# Altium PCB Graviton-EC2-Simplified.PcbDoc (part 3 of 9)
Units mm, origin at the board's own origin, x right, y up, seen from the top; angles counter-clockwise.
Board outline 200 x 200 mm, 10 copper layers (Top Layer, Internal Plane 1, Signal Layer 1, Internal Plane 2, Signal Layer 2, Signal Layer 3, Internal Plane 3, Signal Layer 4, Internal Plane 4, Bottom Layer), stack 1.674 mm thick; 774 components, 1540 nets, 6310 pads, 1698 vias.
Unrouted connection lines stored in the file: 74.
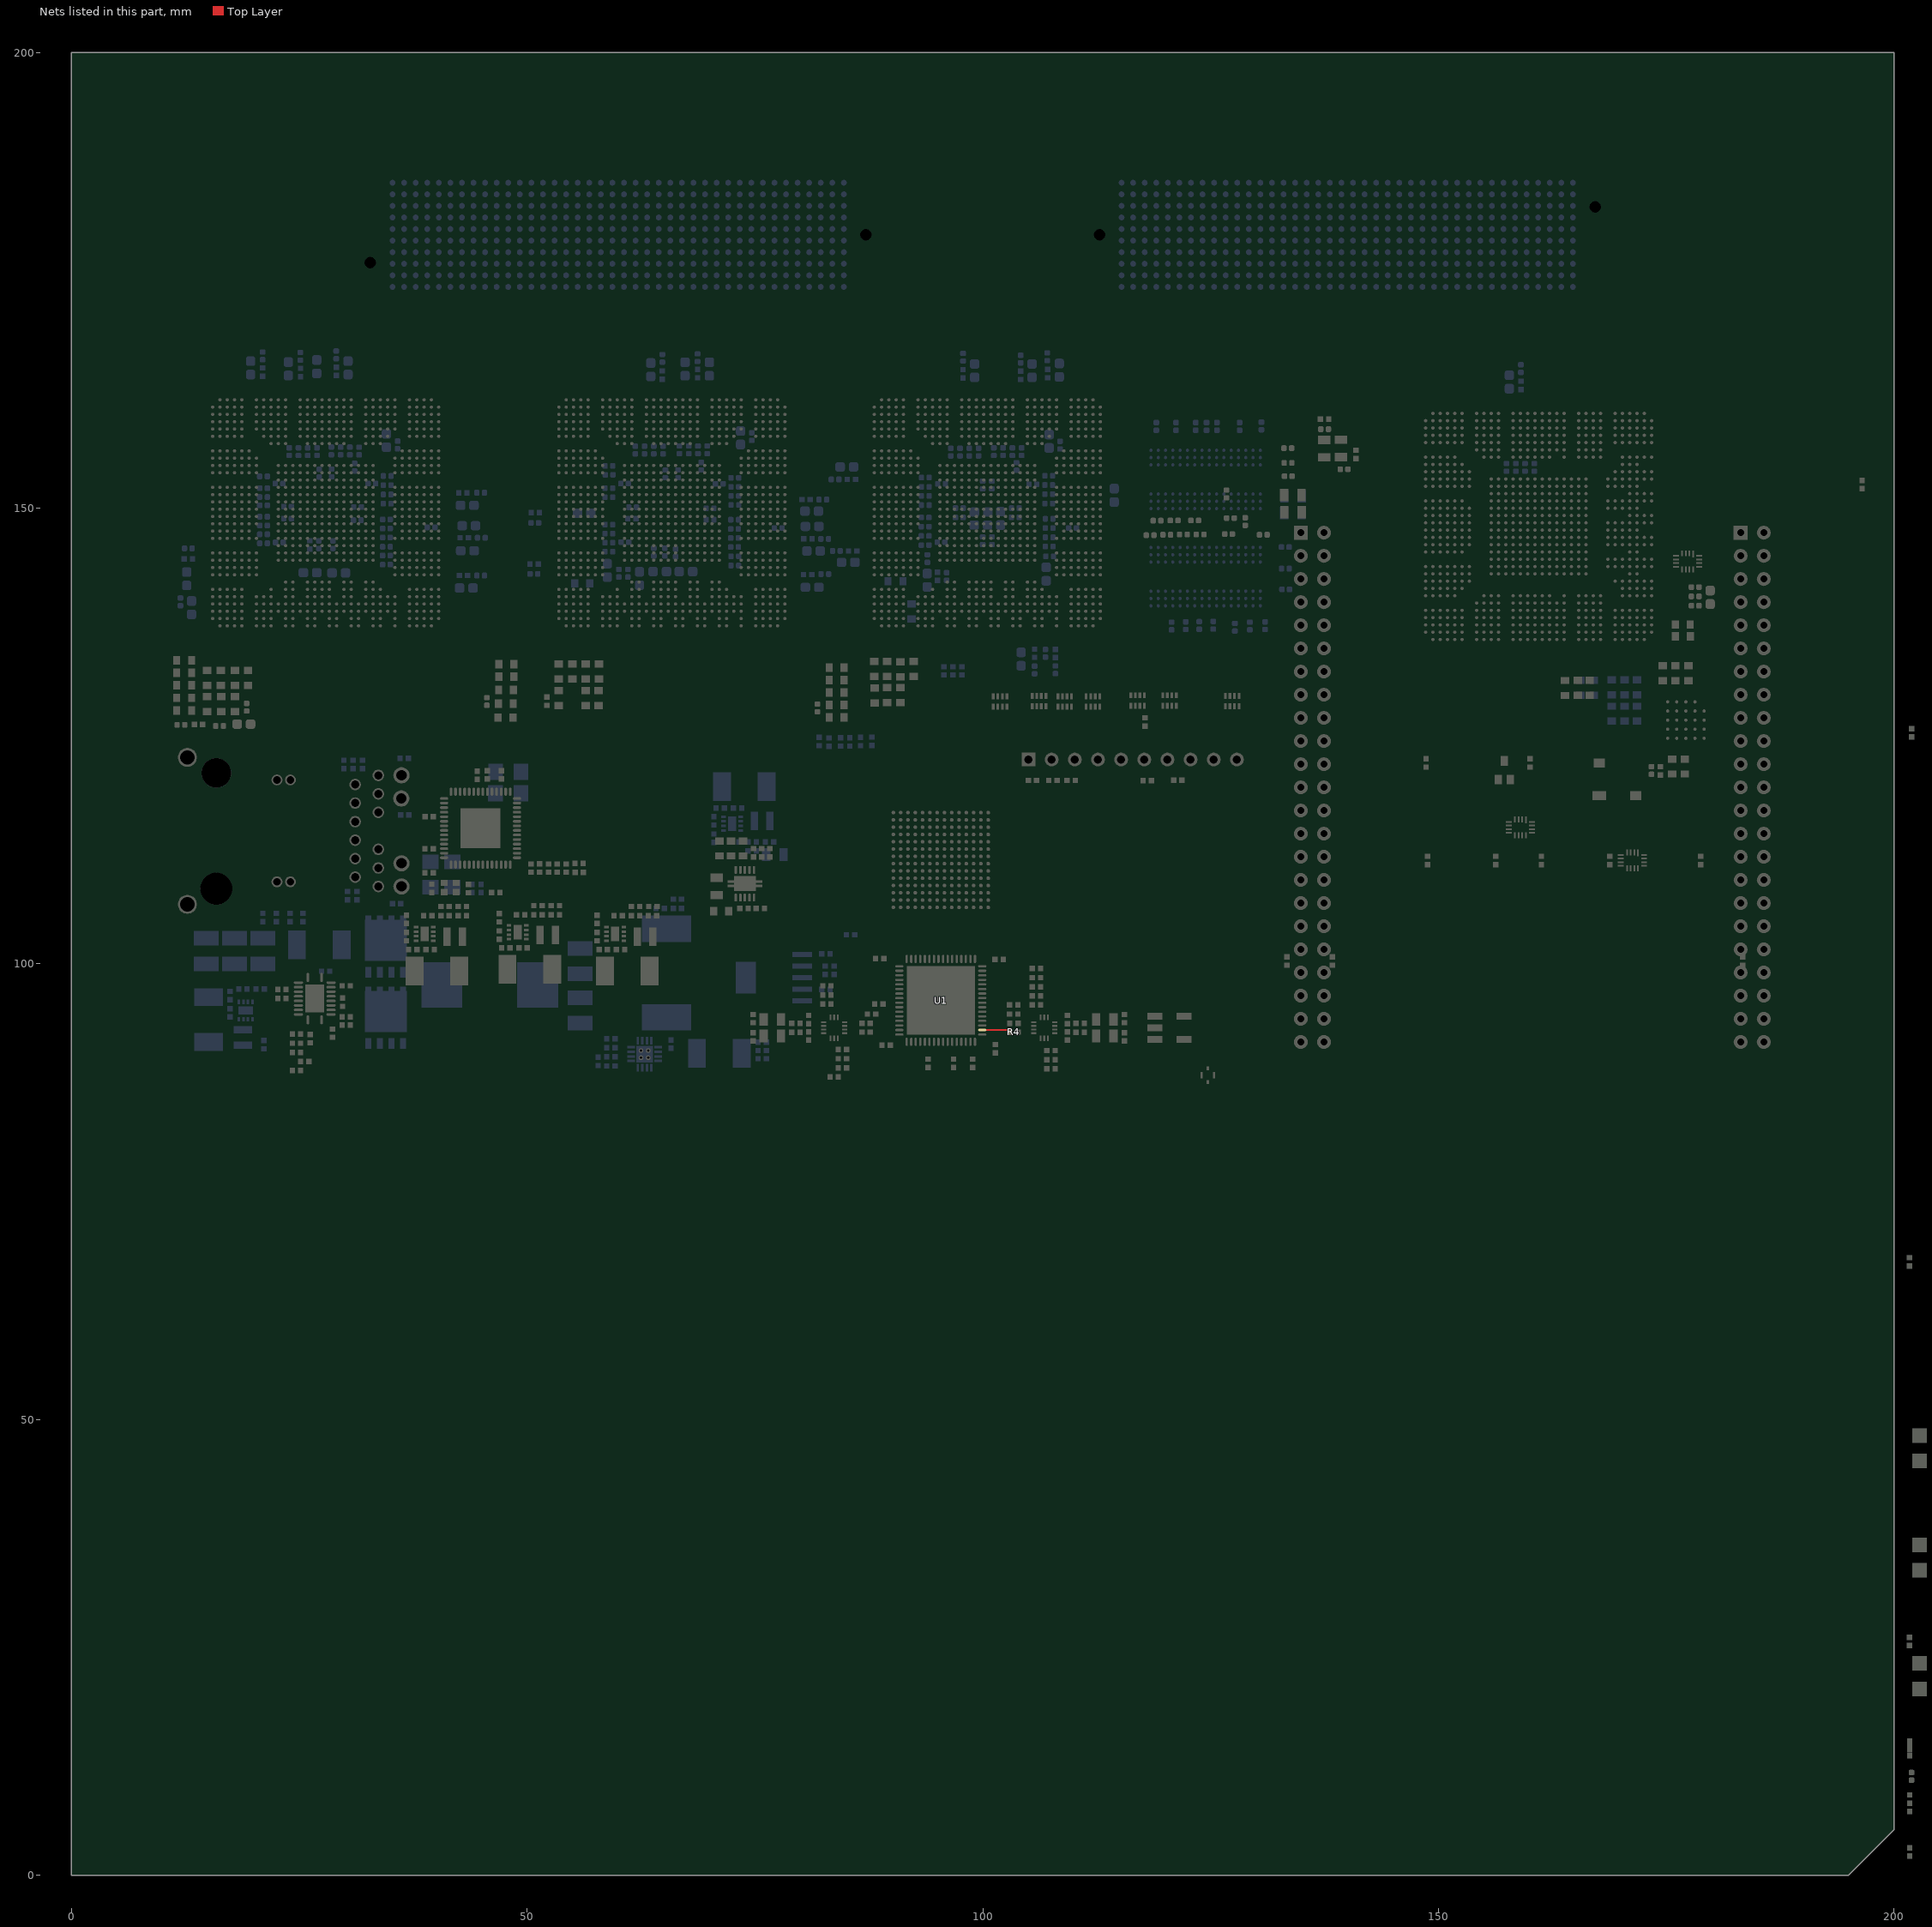
[diagram p11: the nets of this part, all layers, seen from the top]

## Components (designator, comment, footprint, x,y, rotation, side; value= is the part's Value field where it differs from the comment) (continued)
R184B "RES 0402" 0402 222.009,67.314 r90 top (schematic designator R184)
R185A "RES 0402" 0402 211.333,25.662 r90 top (schematic designator R185)
R185B "RES 0402" 0402 211.858,67.314 r90 top (schematic designator R185)
R186A "RES 0402" 0402 201.683,25.662 r90 top (schematic designator R186)
R186B "RES 0402" 0402 201.683,67.314 r90 top (schematic designator R186)
R188 "RES 0402" 0402 -9.119,55.718 r180 top
R189 "RES 0402" 0402 -13.419,55.718 r180 top
R190 "RES 0402" 0402 -17.719,55.718 r180 top
R191 "RES 0402" 0402 -22.019,55.718 r180 top
R192 "RES 0402" 0402 -26.319,55.718 r180 top
R193 "RES 0402" 0402 -30.719,55.718 r180 top
R194 "RES 0402" 0402 -35.019,55.718 r180 top
R195A "RES 0402" 0402 201.719,7.457 r90 top (schematic designator R195)
R195B "RES 0402" 0402 201.719,13.557 r90 top (schematic designator R195)
R196A "RES 0402" 0402 46.964,105.066 r270 top (schematic designator R196)
R196B "RES 0402" 0402 57.664,104.891 r270 top (schematic designator R196)
R196C "RES 0402" 0402 36.764,104.891 r270 top (schematic designator R196)
R196D "RES 0402" 0402 20.716,97.236 r180 bottom (schematic designator R196)
R196E "RES 0402" 0402 70.5,113.8 r90 bottom (schematic designator R196)
R197 "RES 0402" 0402 201.719,2.557 r90 top
R198 "RESPAK x4 0804" 0804-PAK-8 112.1,128.8 r90 top
R199 "RESPAK x4 0804" 0804-PAK-8 109,128.8 r90 top
R200 "RESPAK x4 0804" 0804-PAK-8 120.5,128.9 r90 top
T2A "TC1-1TG2+" AT224-1A 120.5,93 r90 top (schematic designator T2)
TP10A "MS-180(20)" MS-180(20) 124.7,87.8 r90 top (schematic designator TP10)
U1 "ADS42LB69IRG" S-PVQFN-N64 95.4,96 r0 top
U2 "LMH6554LE" NHJ0014A 106.75,93 r180 top
U3 "LMH6554LE" NHJ0014A 83.7,93 r0 top
U4 "TPS73618DCQ" DCQ-SOT223-5 77.1,98.5 r270 bottom
U6 "DAC3484IZAY" ZAY-BGA-196 95.4,111.4 r270 top
U7 "SN74AVC4T774RSVR" RSV 159,114.98 r180 top
U8 "SN74AVC4T774RSVR" RSV 171.3,111.355 r180 top
U9 "MT41K256M16HA -125:E" BGA96_T9_P8_9X14#1 124.46,142.494 r270 bottom locked
U10 "MT41K256M16HA -125:E" BGA96_T9_P8_9X14#2 124.46,153.162 r270 bottom locked
U13 "ADCLK944" WFQFN-16 209.1,125 r0 top
U14 "LFE5U_-85F-_BG756_" caBGA756 161,148 r90 top
U15 "SN74AVC4T774RSVR" RSV 177.343,144.17 r180 top
U16 "N25Q00AA13G1240" L-PBGA-24 177.158,126.755 r270 top
U18 "88E1512" QFN-56 44.9,114.9 r270 top
U19A "LFE5U_-85F-_BG756_" caBGA756 100.5,149.5 r0 top locked (schematic designator U19)
U19B "LFE5U_-85F-_BG756_" caBGA756 27.9,149.5 r0 top (schematic designator U19)
U19C "LFE5U_-85F-_BG756_" caBGA756 65.9,149.5 r0 top (schematic designator U19)
U22 "SN74AVC4T774RSVR" RSV 235.92,10.858 r0 top
U23 "TPS40170" RGY-VQFN-20 26.7,96.2 r270 top
U24 "TPS54618" RTE-WQFN-16 62.9,90.1 r90 bottom
U25 "TPS51200" DRC 73.9,108.8 r180 top
U31A "Dot marks A1 on 1.5, 1.8, 2.4, and 4.8V versions, dot marks B1 otherwise" DSBGA-4 -60.795,-44.9 r180 top (schematic designator U31)
U31B "Dot marks A1 on 1.5, 1.8, 2.4, and 4.8V versions, dot marks B1 otherwise" DSBGA-4 -84.575,-57.05 r180 top (schematic designator U31)
U31C "Dot marks A1 on 1.5, 1.8, 2.4, and 4.8V versions, dot marks B1 otherwise" DSBGA-4 263.475,102.55 r0 top (schematic designator U31)
U31D "Dot marks A1 on 1.5, 1.8, 2.4, and 4.8V versions, dot marks B1 otherwise" DSBGA-4 284.525,102.55 r0 top (schematic designator U31)
U39A "TPS62065" DSG 48.964,103.466 r180 top (schematic designator U39)
U39B "TPS62065" DSG 59.664,103.291 r180 top (schematic designator U39)
U39C "TPS62065" DSG 38.764,103.291 r180 top (schematic designator U39)
U39D "TPS62065" DSG 19.116,94.884 r270 bottom (schematic designator U39)
U39E "TPS62065" DSG 72.5,115.4 r180 bottom (schematic designator U39)
Y3 "XRCGB25M000F3N00R0" XRCGB 41.569,108.39 r0 top

## Footprints (in the part's own frame and the unit in brackets; to place one, negate y for a bottom-side part, rotate by r counter-clockwise, add the part's x,y. Pads: shape width x height; smd on the part's side, far side on the other; paste and mask are expansions set on the pad)
0402 [mm] "SMD; Body 1 x 0.5 mm (LxW typ)"
  rect 0.59x0.6 smd: 1(-0.455,0) 2(0.455,0)
  body extent -0.5,-0.25 0.5,0.25, height 0.6
451_453 [mm] "Littelfuse SMD Fuse, 451 and 453 Series, 6.1x2.7mm"
  rect 1.96x3.15 smd: 1(-2.455,0) 2(2.455,0)
  silkscreen extent -1.14,-1.78 1.14,1.78, body extent -3.05,-1.35 3.05,1.35, height 2.7
0603 [mm] "SMD; Body 1.6 x 0.9 mm (LxW typ)"
  rect 0.79x0.93 smd: 1(-0.82,0) 2(0.82,0)
  body extent -0.8,-0.4 0.8,0.4, height 0.9
0804-PAK-8 [mm] "8-pin Resistor Array Package"
  rect 0.65x0.3 smd mask+0.076: 1(-0.575,0.75) 2(-0.575,0.25) 3(-0.575,-0.25) 4(-0.575,-0.75) 5(0.575,-0.75) 6(0.575,-0.25) 7(0.575,0.25) 8(0.575,0.75)
  silkscreen extent -0.6,-1.1 0.6,1.1, body extent -0.5,-1 0.5,1, height 1.4
0805 [mm] "SMD; Body 2 x 1.2 mm (LxW typ)"
  rect 0.92x1.38 smd: 1(-0.955,0) 2(0.955,0)
  body extent -1,-0.63 1,0.63, height 1.2
0826 [mil] "Bel-Fuse Gigabit MagJack with PoE footprint"
  round 50 hole 35: 1(-200,-600) 2(-120,-600) 3(-40,-600) 4(40,-600) 5(120,-600) 6(200,-600) 7(-240,-700) 8(-160,-700) 9(-80,-700) 10(80,-700) 11(160,-700) 12(240,-700)
  round 47 hole 32: 13(-220,-320) 14(220,-320) 15(-220,-262) 16(220,-262)
  round 70 hole 45: 17(-240,-800) 18(-140,-800) 19(140,-799.21) 20(240,-800)
  round 82 hole 62: 21(-317.5,125) 22(317.5,125)
  round 137.8 hole 137.8 unplated: M1(-250,0)
  round 128 hole 128 unplated: M2(250,0)
  body extent -321,-860 321,430, height 536
1206 [mm] "SMD; Body 3.1 x 1.6 mm (LxW typ)"
  rect 1.6x1.8 smd: 1(-1.4,0) 2(1.4,0)
  body extent -1.63,-0.79 1.57,0.81, height 1
1210 [mm] "SMD; Body 3.2 x 2.5 mm (LxW typ)"
  rect 1.6x2.7 smd: 1(-1.4,0) 2(1.4,0)
  body extent -1.6,-1.27 1.6,1.23, height 1.5
ASPI-0310FS [mm] "Ultra low profile shielded SMD chip power inductor"
  rect 0.8x2 smd: 1(-0.85,0) 2(0.85,0)
  silkscreen extent -1.7,-1.7 1.7,1.7, body extent -1.5,-1.5 1.5,1.5, height 1
AT224-1A [mm] "Surface Mount RF Transformer"
  rect 0.76x1.65 smd: 1(-1.27,1.59) 2(0,1.59) 3(1.27,1.59) 4(1.27,-1.59) 6(-1.27,-1.59)
  silkscreen extent -2.16,-2.29 2.16,3.05, body extent -1.9,-1.9 1.9,1.9, height 4.06
BGA96_T9_P8_9X14#1 [mil] "BGA96_T9_P8_9X14"
  round 14 smd mask+2: A1(-126,236.25) A2(-94.5,236.25) A3(-63,236.25) A7(63,236.25) A8(94.5,236.25) A9(126,236.25) B1(-126,204.75) B2(-94.5,204.75) B3(-63,204.75) B7(63,204.75) B8(94.5,204.75) B9(126,204.75) C1(-126,173.25) C2(-94.5,173.25) C3(-63,173.25) C7(63,173.25) C8(94.5,173.25) C9(126,173.25) D1(-126,141.75) D2(-94.5,141.75) D3(-63,141.75) D7(63,141.75) D8(94.5,141.75) D9(126,141.75) E1(-126,110.25) E2(-94.5,110.25) E3(-63,110.25) E7(63,110.25) E8(94.5,110.25) E9(126,110.25) F1(-126,78.75) F2(-94.5,78.75) F3(-63,78.75) F7(63,78.75) F8(94.5,78.75) F9(126,78.75) G1(-126,47.25) G2(-94.5,47.25) G3(-63,47.25) G7(63,47.25) G8(94.5,47.25) G9(126,47.25) H1(-126,15.75) H2(-94.5,15.75) H3(-63,15.75) H7(63,15.75) H8(94.5,15.75) H9(126,15.75) J1(-126,-15.75) J2(-94.5,-15.75) J3(-63,-15.75) J7(63,-15.75) J8(94.5,-15.75) J9(126,-15.75) K1(-126,-47.25) K2(-94.5,-47.25) K3(-63,-47.25) K7(63,-47.25) K8(94.5,-47.25) K9(126,-47.25) L1(-126,-78.75) L2(-94.5,-78.75) L3(-63,-78.75) L7(63,-78.75) L8(94.5,-78.75) L9(126,-78.75) M1(-126,-110.25) M2(-94.5,-110.25) M3(-63,-110.25) M7(63,-110.25) M8(94.5,-110.25) M9(126,-110.25) N1(-126,-141.75) N2(-94.5,-141.75) N3(-63,-141.75) N7(63,-141.75) N8(94.5,-141.75) N9(126,-141.75) P1(-126,-173.25) P2(-94.5,-173.25) P3(-63,-173.25) P7(63,-173.25) P8(94.5,-173.25) P9(126,-173.25) R1(-126,-204.75) R2(-94.5,-204.75) R3(-63,-204.75) R7(63,-204.75) R8(94.5,-204.75) R9(126,-204.75) T1(-126,-236.25) T2(-94.5,-236.25) T3(-63,-236.25) T7(63,-236.25) T8(94.5,-236.25) T9(126,-236.25)
  Top Layer lines w4.75: 78.75,220.5 63,204.75 ; 110.25,189 94.5,173.25 ; 78.75,189 63,173.25 ; -110.25,189 -94.5,173.25 ; 78.75,126 63,110.25 ; 110.25,94.5 94.5,78.75 ; 78.75,94.5 63,78.75 ; 110.25,31.5 94.5,15.75 ; 78.75,31.5 63,15.75 ; -141.75,31.5 -126,15.75 ; -63,-15.75 -78.75,-31.5 ; -126,-47.25 -141.75,-63 ; 94.5,-78.75 110.25,-94.5 ; -63,-78.75 -78.75,-94.5 ; 94.5,-110.25 110.25,-126 ; -94.5,-110.25 -110.25,-126 ; 94.5,-173.25 110.25,-189 ; -94.5,-173.25 -110.25,-189 ; 94.5,-204.75 105,-215.25 110.25,-220.5 ; 63,-204.75 78.75,-220.5 ; -63,-204.75 -78.75,-220.5 ; -94.5,-204.75 -110.25,-220.5 ; 94.5,-236.25 110.25,-252 ; -94.5,-236.25 -110.25,-252
  Top Layer lines w10: -141.75,252 -126,236.25 ; -78.75,220.5 -63,204.75 ; -110.25,220.5 -94.5,204.75 ; -141.75,220.5 -126,204.75 ; -141.75,189 -126,173.25 ; 141.75,157.5 126,141.75 ; 110.25,157.5 94.5,141.75 ; -94.5,141.75 -78.75,126 ; 141.75,126 126,110.25 ; 110.25,126 94.5,110.25 ; -110.25,126 -94.5,110.25 ; -126,110.25 -110.25,94.5 ; -141.75,94.5 -126,78.75 ; 141.75,63 126,47.25 ; 110.25,63 94.5,47.25 ; 78.75,63 63,47.25 ; 141.75,31.5 126,15.75 ; -110.25,31.5 -94.5,15.75 ; -94.5,-15.75 -110.25,-31.5 ; -94.5,-47.25 -110.25,-63 ; 126,-110.25 141.75,-126 ; 165,-135 158.25,-141.75 ; 126,-173.25 141.75,-189 ; 126,-204.75 126.25,-205 ; -126,-204.75 -141.75,-220.5 ; 126,-236.25 141.75,-252 ; -126,-236.25 -141.75,-252
  silkscreen extent -177,-276 177,276
BGA96_T9_P8_9X14#2 [mil] "BGA96_T9_P8_9X14"
  round 14 smd mask+2: A1(-126,236.25) A2(-94.5,236.25) A3(-63,236.25) A7(63,236.25) A8(94.5,236.25) A9(126,236.25) B1(-126,204.75) B2(-94.5,204.75) B3(-63,204.75) B7(63,204.75) B8(94.5,204.75) B9(126,204.75) C1(-126,173.25) C2(-94.5,173.25) C3(-63,173.25) C7(63,173.25) C8(94.5,173.25) C9(126,173.25) D1(-126,141.75) D2(-94.5,141.75) D3(-63,141.75) D7(63,141.75) D8(94.5,141.75) D9(126,141.75) E1(-126,110.25) E2(-94.5,110.25) E3(-63,110.25) E7(63,110.25) E8(94.5,110.25) E9(126,110.25) F1(-126,78.75) F2(-94.5,78.75) F3(-63,78.75) F7(63,78.75) F8(94.5,78.75) F9(126,78.75) G1(-126,47.25) G2(-94.5,47.25) G3(-63,47.25) G7(63,47.25) G8(94.5,47.25) G9(126,47.25) H1(-126,15.75) H2(-94.5,15.75) H3(-63,15.75) H7(63,15.75) H8(94.5,15.75) H9(126,15.75) J1(-126,-15.75) J2(-94.5,-15.75) J3(-63,-15.75) J7(63,-15.75) J8(94.5,-15.75) J9(126,-15.75) K1(-126,-47.25) K2(-94.5,-47.25) K3(-63,-47.25) K7(63,-47.25) K8(94.5,-47.25) K9(126,-47.25) L1(-126,-78.75) L2(-94.5,-78.75) L3(-63,-78.75) L7(63,-78.75) L8(94.5,-78.75) L9(126,-78.75) M1(-126,-110.25) M2(-94.5,-110.25) M3(-63,-110.25) M7(63,-110.25) M8(94.5,-110.25) M9(126,-110.25) N1(-126,-141.75) N2(-94.5,-141.75) N3(-63,-141.75) N7(63,-141.75) N8(94.5,-141.75) N9(126,-141.75) P1(-126,-173.25) P2(-94.5,-173.25) P3(-63,-173.25) P7(63,-173.25) P8(94.5,-173.25) P9(126,-173.25) R1(-126,-204.75) R2(-94.5,-204.75) R3(-63,-204.75) R7(63,-204.75) R8(94.5,-204.75) R9(126,-204.75) T1(-126,-236.25) T2(-94.5,-236.25) T3(-63,-236.25) T7(63,-236.25) T8(94.5,-236.25) T9(126,-236.25)
  Top Layer lines w4.75: 78.75,252 63,236.25 ; -110.25,252 -94.5,236.25 ; 110.25,220.5 94.5,204.75 ; 78.75,220.5 63,204.75 ; 110.25,189 94.5,173.25 ; 78.75,189 63,173.25 ; -110.25,189 -94.5,173.25 ; 78.75,126 63,110.25 ; -47.25,126 -63,110.25 ; 110.25,94.5 94.5,78.75 ; 78.75,94.5 63,78.75 ; 110.25,31.5 94.5,15.75 ; 78.75,31.5 63,15.75 ; -141.75,31.5 -126,15.75 ; -63,-15.75 -78.75,-31.5 ; 126,-47.25 141.75,-63 ; -126,-47.25 -141.75,-63 ; 94.5,-78.75 110.25,-94.5 ; -63,-78.75 -78.75,-94.5 ; 94.5,-110.25 110.25,-126 ; -63,-110.25 -78.75,-126 ; -94.5,-110.25 -110.25,-126 ; 94.5,-141.75 110.25,-157.5 ; -63,-141.75 -78.75,-157.5 ; -94.5,-141.75 -110.25,-157.5 ; 94.5,-173.25 110.25,-189 ; -63,-173.25 -78.75,-189 ; -94.5,-173.25 -110.25,-189 ; 63,-204.75 78.75,-220.5 ; -63,-204.75 -78.75,-220.5 ; 94.5,-236.25 110.25,-252 ; 63,-236.25 78.75,-252 ; -63,-236.25 -78.75,-252 ; -94.5,-236.25 -110.25,-252
  Top Layer lines w10: 110.25,252 94.5,236.25 ; 141.75,220.5 126,204.75 ; -78.75,220.5 -63,204.75 ; -110.25,220.5 -94.5,204.75 ; -141.75,220.5 -126,204.75 ; 141.75,189 126,173.25 ; -141.75,189 -126,173.25 ; 141.75,157.5 126,141.75 ; 110.25,157.5 94.5,141.75 ; -94.5,141.75 -78.75,126 ; 141.75,126 126,110.25 ; 110.25,126 94.5,110.25 ; -110.25,126 -94.5,110.25 ; -126,110.25 -110.25,94.5 ; -141.75,94.5 -126,78.75 ; 141.75,63 126,47.25 ; 110.25,63 94.5,47.25 ; 78.75,63 63,47.25 ; 141.75,31.5 126,15.75 ; -110.25,31.5 -94.5,15.75 ; 94.5,-15.75 110.25,-31.5 ; -94.5,-15.75 -110.25,-31.5 ; 94.5,-47.25 110.25,-63 ; -94.5,-47.25 -110.25,-63 ; -126,-110.25 -141.75,-126 ; -126,-141.75 -141.75,-157.5 ; -126,-173.25 -141.75,-189 ; -126,-204.75 -141.75,-220.5 ; -126,-236.25 -141.75,-252
  silkscreen extent -177,-276 177,276
caBGA756 [mm] "BGA, 756-Leads, Body 27.0x27.0mm,  Pitch 0.80mm"
  round 0.36 smd: A2(-11.6,12.4) A3(-10.8,12.4) A4(-10,12.4) A5(-9.2,12.4) A7(-7.6,12.4) A8(-6.8,12.4) A9(-6,12.4) A10(-5.2,12.4) A11(-4.4,12.4) A13(-2.8,12.4) A14(-2,12.4) A15(-1.2,12.4) A16(-0.4,12.4) A17(0.4,12.4) A18(1.2,12.4) A19(2,12.4) A20(2.8,12.4) A22(4.4,12.4) A23(5.2,12.4) A24(6,12.4) A25(6.8,12.4) A26(7.6,12.4) A28(9.2,12.4) A29(10,12.4) A30(10.8,12.4) A31(11.6,12.4) AA10(-5.2,-3.6) AA11(-4.4,-3.6) AA12(-3.6,-3.6) AA13(-2.8,-3.6) AA14(-2,-3.6) AA15(-1.2,-3.6) AA16(-0.4,-3.6) AA17(0.4,-3.6) AA18(1.2,-3.6) AA19(2,-3.6) AA20(2.8,-3.6) AA21(3.6,-3.6) AA22(4.4,-3.6) AA23(5.2,-3.6) AB1(-12.4,-4.4) AB2(-11.6,-4.4) AB3(-10.8,-4.4) AB4(-10,-4.4) AB5(-9.2,-4.4) AB6(-8.4,-4.4) AB7(-7.6,-4.4) AB10(-5.2,-4.4) AB11(-4.4,-4.4) AB12(-3.6,-4.4) AB13(-2.8,-4.4) AB14(-2,-4.4) AB15(-1.2,-4.4) AB16(-0.4,-4.4) AB17(0.4,-4.4) AB18(1.2,-4.4) AB19(2,-4.4) AB20(2.8,-4.4) AB21(3.6,-4.4) AB22(4.4,-4.4) AB23(5.2,-4.4) AB26(7.6,-4.4) AB27(8.4,-4.4) AB28(9.2,-4.4) AB29(10,-4.4) AB30(10.8,-4.4) AB31(11.6,-4.4) AB32(12.4,-4.4) AC1(-12.4,-5.2) AC2(-11.6,-5.2) AC3(-10.8,-5.2) AC4(-10,-5.2) AC5(-9.2,-5.2) AC6(-8.4,-5.2) AC7(-7.6,-5.2) AC10(-5.2,-5.2) AC11(-4.4,-5.2) AC12(-3.6,-5.2) AC13(-2.8,-5.2) AC14(-2,-5.2) AC15(-1.2,-5.2) AC16(-0.4,-5.2) AC17(0.4,-5.2) AC18(1.2,-5.2) AC19(2,-5.2) AC20(2.8,-5.2) AC21(3.6,-5.2) AC22(4.4,-5.2) AC23(5.2,-5.2) AC26(7.6,-5.2) AC27(8.4,-5.2) AC28(9.2,-5.2) AC29(10,-5.2) AC30(10.8,-5.2) AC31(11.6,-5.2) AC32(12.4,-5.2) AD1(-12.4,-6) AD2(-11.6,-6) AD3(-10.8,-6) AD4(-10,-6) AD5(-9.2,-6) AD6(-8.4,-6) AD7(-7.6,-6) AD26(7.6,-6) AD27(8.4,-6) AD28(9.2,-6) AD29(10,-6) AD30(10.8,-6) AD31(11.6,-6) AD32(12.4,-6) AE1(-12.4,-6.8) AE2(-11.6,-6.8) AE3(-10.8,-6.8) AE4(-10,-6.8) AE5(-9.2,-6.8) AE6(-8.4,-6.8) AE7(-7.6,-6.8) AE26(7.6,-6.8) AE27(8.4,-6.8) AE28(9.2,-6.8) AE29(10,-6.8) AE30(10.8,-6.8) AE31(11.6,-6.8) AE32(12.4,-6.8) AF11(-4.4,-7.6) AF12(-3.6,-7.6) AF14(-2,-7.6) AF15(-1.2,-7.6) AF16(-0.4,-7.6) AF17(0.4,-7.6) AF19(2,-7.6) AF20(2.8,-7.6) AF22(4.4,-7.6) AF23(5.2,-7.6) AG1(-12.4,-8.4) AG2(-11.6,-8.4) AG3(-10.8,-8.4) AG4(-10,-8.4) AG5(-9.2,-8.4) AG9(-6,-8.4) AG11(-4.4,-8.4) AG12(-3.6,-8.4) AG14(-2,-8.4) AG15(-1.2,-8.4) AG16(-0.4,-8.4) AG17(0.4,-8.4) AG19(2,-8.4) AG20(2.8,-8.4) AG22(4.4,-8.4) AG23(5.2,-8.4) AG24(6,-8.4) AG28(9.2,-8.4) AG29(10,-8.4) AG30(10.8,-8.4) AG31(11.6,-8.4) AG32(12.4,-8.4) AH1(-12.4,-9.2) AH2(-11.6,-9.2) AH3(-10.8,-9.2) AH4(-10,-9.2) AH5(-9.2,-9.2) AH7(-7.6,-9.2) AH8(-6.8,-9.2) AH9(-6,-9.2) AH11(-4.4,-9.2) AH12(-3.6,-9.2) AH14(-2,-9.2) AH15(-1.2,-9.2) AH16(-0.4,-9.2) AH17(0.4,-9.2) AH19(2,-9.2) AH20(2.8,-9.2) AH22(4.4,-9.2) AH23(5.2,-9.2) AH24(6,-9.2) AH25(6.8,-9.2) AH26(7.6,-9.2) AH28(9.2,-9.2) AH29(10,-9.2) AH30(10.8,-9.2) AH31(11.6,-9.2) AH32(12.4,-9.2) AJ1(-12.4,-10) AJ2(-11.6,-10) AJ3(-10.8,-10) AJ4(-10,-10) AJ5(-9.2,-10) AJ7(-7.6,-10) AJ8(-6.8,-10) AJ9(-6,-10) AJ10(-5.2,-10) AJ11(-4.4,-10) AJ12(-3.6,-10) AJ13(-2.8,-10) AJ14(-2,-10) AJ15(-1.2,-10) AJ16(-0.4,-10) AJ17(0.4,-10) AJ18(1.2,-10) AJ19(2,-10) AJ20(2.8,-10) AJ21(3.6,-10) AJ22(4.4,-10) AJ23(5.2,-10) AJ24(6,-10) AJ25(6.8,-10) AJ26(7.6,-10) AJ28(9.2,-10) AJ29(10,-10) AJ30(10.8,-10) AJ31(11.6,-10) AJ32(12.4,-10) AK1(-12.4,-10.8) AK2(-11.6,-10.8) AK3(-10.8,-10.8) AK4(-10,-10.8) AK5(-9.2,-10.8) AK7(-7.6,-10.8) AK8(-6.8,-10.8) AK9(-6,-10.8) AK10(-5.2,-10.8) AK11(-4.4,-10.8) AK12(-3.6,-10.8) AK13(-2.8,-10.8) AK14(-2,-10.8) AK15(-1.2,-10.8) AK16(-0.4,-10.8) AK17(0.4,-10.8) AK18(1.2,-10.8) AK19(2,-10.8) AK20(2.8,-10.8) AK21(3.6,-10.8) AK22(4.4,-10.8) AK23(5.2,-10.8) AK24(6,-10.8) AK25(6.8,-10.8) AK26(7.6,-10.8) AK28(9.2,-10.8) AK29(10,-10.8) AK30(10.8,-10.8) AK31(11.6,-10.8) AK32(12.4,-10.8) AL1(-12.4,-11.6) AL2(-11.6,-11.6) AL3(-10.8,-11.6) AL4(-10,-11.6) AL5(-9.2,-11.6) AL7(-7.6,-11.6) AL8(-6.8,-11.6) AL9(-6,-11.6) AL11(-4.4,-11.6) AL12(-3.6,-11.6) AL14(-2,-11.6) AL15(-1.2,-11.6) AL17(0.4,-11.6) AL18(1.2,-11.6) AL20(2.8,-11.6) AL21(3.6,-11.6) AL23(5.2,-11.6) AL24(6,-11.6) AL26(7.6,-11.6) AL28(9.2,-11.6) AL29(10,-11.6) AL30(10.8,-11.6) AL31(11.6,-11.6) AL32(12.4,-11.6) AM2(-11.6,-12.4) AM3(-10.8,-12.4) AM4(-10,-12.4) AM5(-9.2,-12.4) AM7(-7.6,-12.4) AM8(-6.8,-12.4) AM9(-6,-12.4) AM11(-4.4,-12.4) AM12(-3.6,-12.4) AM14(-2,-12.4) AM15(-1.2,-12.4) AM17(0.4,-12.4) AM18(1.2,-12.4) AM20(2.8,-12.4) AM21(3.6,-12.4) AM23(5.2,-12.4) AM24(6,-12.4) AM26(7.6,-12.4) AM28(9.2,-12.4) AM29(10,-12.4) AM30(10.8,-12.4) AM31(11.6,-12.4) B1(-12.4,11.6) B2(-11.6,11.6) B3(-10.8,11.6) B4(-10,11.6) B5(-9.2,11.6) B7(-7.6,11.6) B8(-6.8,11.6) B9(-6,11.6) B10(-5.2,11.6) B11(-4.4,11.6) B13(-2.8,11.6) B14(-2,11.6) B15(-1.2,11.6) B16(-0.4,11.6) B17(0.4,11.6) B18(1.2,11.6) B19(2,11.6) B20(2.8,11.6) B22(4.4,11.6) B23(5.2,11.6) B24(6,11.6) B25(6.8,11.6) B26(7.6,11.6) B28(9.2,11.6) B29(10,11.6) B30(10.8,11.6) B31(11.6,11.6) B32(12.4,11.6) C1(-12.4,10.8) C2(-11.6,10.8) C3(-10.8,10.8) C4(-10,10.8) C5(-9.2,10.8) C7(-7.6,10.8) C8(-6.8,10.8) C9(-6,10.8) C10(-5.2,10.8) C11(-4.4,10.8) C13(-2.8,10.8) C14(-2,10.8) C15(-1.2,10.8) C16(-0.4,10.8) C17(0.4,10.8) C18(1.2,10.8) C19(2,10.8) C20(2.8,10.8) C22(4.4,10.8) C23(5.2,10.8) C24(6,10.8) C25(6.8,10.8) C26(7.6,10.8) C28(9.2,10.8) C29(10,10.8) C30(10.8,10.8) C31(11.6,10.8) C32(12.4,10.8) D1(-12.4,10) D2(-11.6,10) D3(-10.8,10) D4(-10,10) D5(-9.2,10) D7(-7.6,10) D8(-6.8,10) D9(-6,10) D10(-5.2,10) D11(-4.4,10) D13(-2.8,10) D14(-2,10) D15(-1.2,10) D16(-0.4,10) D17(0.4,10) D18(1.2,10) D19(2,10) D20(2.8,10) D22(4.4,10) D23(5.2,10) D24(6,10) D25(6.8,10) D26(7.6,10) D28(9.2,10) D29(10,10) D30(10.8,10) D31(11.6,10) D32(12.4,10) E1(-12.4,9.2) E2(-11.6,9.2) E3(-10.8,9.2) E4(-10,9.2) E5(-9.2,9.2) E7(-7.6,9.2) E8(-6.8,9.2) E9(-6,9.2) E10(-5.2,9.2) E11(-4.4,9.2) E13(-2.8,9.2) E14(-2,9.2) E15(-1.2,9.2) E16(-0.4,9.2) E17(0.4,9.2) E18(1.2,9.2) E19(2,9.2) E20(2.8,9.2) E22(4.4,9.2) E23(5.2,9.2) E24(6,9.2) E25(6.8,9.2) E26(7.6,9.2) E28(9.2,9.2) E29(10,9.2) E30(10.8,9.2) E31(11.6,9.2) E32(12.4,9.2) F1(-12.4,8.4) F2(-11.6,8.4) F3(-10.8,8.4) F4(-10,8.4) F5(-9.2,8.4) F8(-6.8,8.4) F9(-6,8.4) F10(-5.2,8.4) F11(-4.4,8.4) F13(-2.8,8.4) F14(-2,8.4) F15(-1.2,8.4) F16(-0.4,8.4) F17(0.4,8.4) F18(1.2,8.4) F19(2,8.4) F20(2.8,8.4) F22(4.4,8.4) F23(5.2,8.4) F24(6,8.4) F25(6.8,8.4) F28(9.2,8.4) F29(10,8.4) F30(10.8,8.4) F31(11.6,8.4) F32(12.4,8.4) G9(-6,7.6) G10(-5.2,7.6) G11(-4.4,7.6) G14(-2,7.6) G15(-1.2,7.6) G16(-0.4,7.6) G17(0.4,7.6) G18(1.2,7.6) G19(2,7.6) G22(4.4,7.6) G23(5.2,7.6) G24(6,7.6) H1(-12.4,6.8) H2(-11.6,6.8) H3(-10.8,6.8) H4(-10,6.8) H5(-9.2,6.8) H6(-8.4,6.8) H27(8.4,6.8) H28(9.2,6.8) H29(10,6.8) H30(10.8,6.8) H31(11.6,6.8) H32(12.4,6.8) J1(-12.4,6) J2(-11.6,6) J3(-10.8,6) J4(-10,6) J5(-9.2,6) J6(-8.4,6) J7(-7.6,6) J26(7.6,6) J27(8.4,6) J28(9.2,6) J29(10,6) J30(10.8,6) J31(11.6,6) J32(12.4,6) K1(-12.4,5.2) K2(-11.6,5.2) K3(-10.8,5.2) K4(-10,5.2) K5(-9.2,5.2) K6(-8.4,5.2) K7(-7.6,5.2) K10(-5.2,5.2) K11(-4.4,5.2) K12(-3.6,5.2) K13(-2.8,5.2) K14(-2,5.2) K15(-1.2,5.2) K16(-0.4,5.2) K17(0.4,5.2) K18(1.2,5.2) K19(2,5.2) K20(2.8,5.2) K21(3.6,5.2) K22(4.4,5.2) K23(5.2,5.2) K26(7.6,5.2) K27(8.4,5.2) K28(9.2,5.2) K29(10,5.2) K30(10.8,5.2) K31(11.6,5.2) K32(12.4,5.2) L1(-12.4,4.4) L2(-11.6,4.4) L3(-10.8,4.4) L4(-10,4.4) L5(-9.2,4.4) L6(-8.4,4.4) L7(-7.6,4.4) L10(-5.2,4.4) L11(-4.4,4.4) L12(-3.6,4.4) L13(-2.8,4.4) L14(-2,4.4) L15(-1.2,4.4) L16(-0.4,4.4) L17(0.4,4.4) L18(1.2,4.4) L19(2,4.4) L20(2.8,4.4) L21(3.6,4.4) L22(4.4,4.4) L23(5.2,4.4) L26(7.6,4.4) L27(8.4,4.4) L28(9.2,4.4) L29(10,4.4) L30(10.8,4.4) L31(11.6,4.4) L32(12.4,4.4) M10(-5.2,3.6) M11(-4.4,3.6) M12(-3.6,3.6) M13(-2.8,3.6) M14(-2,3.6) M15(-1.2,3.6) M16(-0.4,3.6) M17(0.4,3.6) M18(1.2,3.6) M19(2,3.6) M20(2.8,3.6) M21(3.6,3.6) M22(4.4,3.6) M23(5.2,3.6) N1(-12.4,2.8) N2(-11.6,2.8) N3(-10.8,2.8) N4(-10,2.8) N5(-9.2,2.8) N6(-8.4,2.8) N7(-7.6,2.8) N10(-5.2,2.8) N11(-4.4,2.8) N12(-3.6,2.8) N13(-2.8,2.8) N14(-2,2.8) N15(-1.2,2.8) N16(-0.4,2.8) N17(0.4,2.8) N18(1.2,2.8) N19(2,2.8) N20(2.8,2.8) N21(3.6,2.8) N22(4.4,2.8) N23(5.2,2.8) N26(7.6,2.8) N27(8.4,2.8) N28(9.2,2.8) N29(10,2.8) N30(10.8,2.8) N31(11.6,2.8) N32(12.4,2.8) P1(-12.4,2) P2(-11.6,2) P3(-10.8,2) P4(-10,2) P5(-9.2,2) P6(-8.4,2) P7(-7.6,2) P10(-5.2,2) P11(-4.4,2) P12(-3.6,2) P13(-2.8,2) P14(-2,2) P15(-1.2,2) P16(-0.4,2) P17(0.4,2) P18(1.2,2) P19(2,2) P20(2.8,2) P21(3.6,2) P22(4.4,2) P23(5.2,2) P26(7.6,2) P27(8.4,2) P28(9.2,2) P29(10,2) P30(10.8,2) P31(11.6,2) P32(12.4,2) R1(-12.4,1.2) R2(-11.6,1.2) R3(-10.8,1.2) R4(-10,1.2) R5(-9.2,1.2) R6(-8.4,1.2) R7(-7.6,1.2) R10(-5.2,1.2) R11(-4.4,1.2) R12(-3.6,1.2) R13(-2.8,1.2) R14(-2,1.2) R15(-1.2,1.2) R16(-0.4,1.2) R17(0.4,1.2) R18(1.2,1.2) R19(2,1.2) R20(2.8,1.2) R21(3.6,1.2) R22(4.4,1.2) R23(5.2,1.2) R26(7.6,1.2) R27(8.4,1.2) R28(9.2,1.2) R29(10,1.2) R30(10.8,1.2) R31(11.6,1.2) R32(12.4,1.2) T1(-12.4,0.4) T2(-11.6,0.4) T3(-10.8,0.4) T4(-10,0.4) T5(-9.2,0.4) T6(-8.4,0.4) T7(-7.6,0.4) T10(-5.2,0.4) T11(-4.4,0.4) T12(-3.6,0.4) T13(-2.8,0.4) T14(-2,0.4) T15(-1.2,0.4) T16(-0.4,0.4) T17(0.4,0.4) T18(1.2,0.4) T19(2,0.4) T20(2.8,0.4) T21(3.6,0.4) T22(4.4,0.4) T23(5.2,0.4) T26(7.6,0.4) T27(8.4,0.4) T28(9.2,0.4) T29(10,0.4) T30(10.8,0.4) T31(11.6,0.4) T32(12.4,0.4) U1(-12.4,-0.4) U2(-11.6,-0.4) U3(-10.8,-0.4) U4(-10,-0.4) U5(-9.2,-0.4) U6(-8.4,-0.4) U7(-7.6,-0.4) U10(-5.2,-0.4) U11(-4.4,-0.4) U12(-3.6,-0.4) U13(-2.8,-0.4) U14(-2,-0.4) U15(-1.2,-0.4) U16(-0.4,-0.4) U17(0.4,-0.4) U18(1.2,-0.4) U19(2,-0.4) U20(2.8,-0.4) U21(3.6,-0.4) U22(4.4,-0.4) U23(5.2,-0.4) U26(7.6,-0.4) U27(8.4,-0.4) U28(9.2,-0.4) U29(10,-0.4) U30(10.8,-0.4) U31(11.6,-0.4) U32(12.4,-0.4) V1(-12.4,-1.2) V2(-11.6,-1.2) V3(-10.8,-1.2) V4(-10,-1.2) V5(-9.2,-1.2) V6(-8.4,-1.2) V7(-7.6,-1.2) V10(-5.2,-1.2) V11(-4.4,-1.2) V12(-3.6,-1.2) V13(-2.8,-1.2) V14(-2,-1.2) V15(-1.2,-1.2) V16(-0.4,-1.2) V17(0.4,-1.2) V18(1.2,-1.2) V19(2,-1.2) V20(2.8,-1.2) V21(3.6,-1.2) V22(4.4,-1.2) V23(5.2,-1.2) V26(7.6,-1.2) V27(8.4,-1.2) V28(9.2,-1.2) V29(10,-1.2) V30(10.8,-1.2) V31(11.6,-1.2) V32(12.4,-1.2) W1(-12.4,-2) W2(-11.6,-2) W3(-10.8,-2) W4(-10,-2) W5(-9.2,-2) W6(-8.4,-2) W10(-5.2,-2) W11(-4.4,-2) W12(-3.6,-2) W13(-2.8,-2) W14(-2,-2) W15(-1.2,-2) W16(-0.4,-2) W17(0.4,-2) W18(1.2,-2) W19(2,-2) W20(2.8,-2) W21(3.6,-2) W22(4.4,-2) W23(5.2,-2) W27(8.4,-2) W28(9.2,-2) W29(10,-2) W30(10.8,-2) W31(11.6,-2) W32(12.4,-2) Y1(-12.4,-2.8) Y2(-11.6,-2.8) Y3(-10.8,-2.8) Y4(-10,-2.8) Y5(-9.2,-2.8) Y6(-8.4,-2.8) Y7(-7.6,-2.8) Y10(-5.2,-2.8) Y11(-4.4,-2.8) Y12(-3.6,-2.8) Y13(-2.8,-2.8) Y14(-2,-2.8) Y15(-1.2,-2.8) Y16(-0.4,-2.8) Y17(0.4,-2.8) Y18(1.2,-2.8) Y19(2,-2.8) Y20(2.8,-2.8) Y21(3.6,-2.8) Y22(4.4,-2.8) Y23(5.2,-2.8) Y26(7.6,-2.8) Y27(8.4,-2.8) Y28(9.2,-2.8) Y29(10,-2.8) Y30(10.8,-2.8) Y31(11.6,-2.8) Y32(12.4,-2.8)